# Altium PCB BLDC_DRIVER_1.2_AR.PcbDoc (part 2 of 3)
Units mil, origin at the board's own origin, x right, y up, seen from the top; angles counter-clockwise.
Board outline 6000 x 4990 mil, 4 copper layers (Top Layer, Signal Layer 1, Signal Layer 2, Bottom Layer), stack 33.334 mil thick; 219 components, 206 nets, 924 pads, 380 vias.
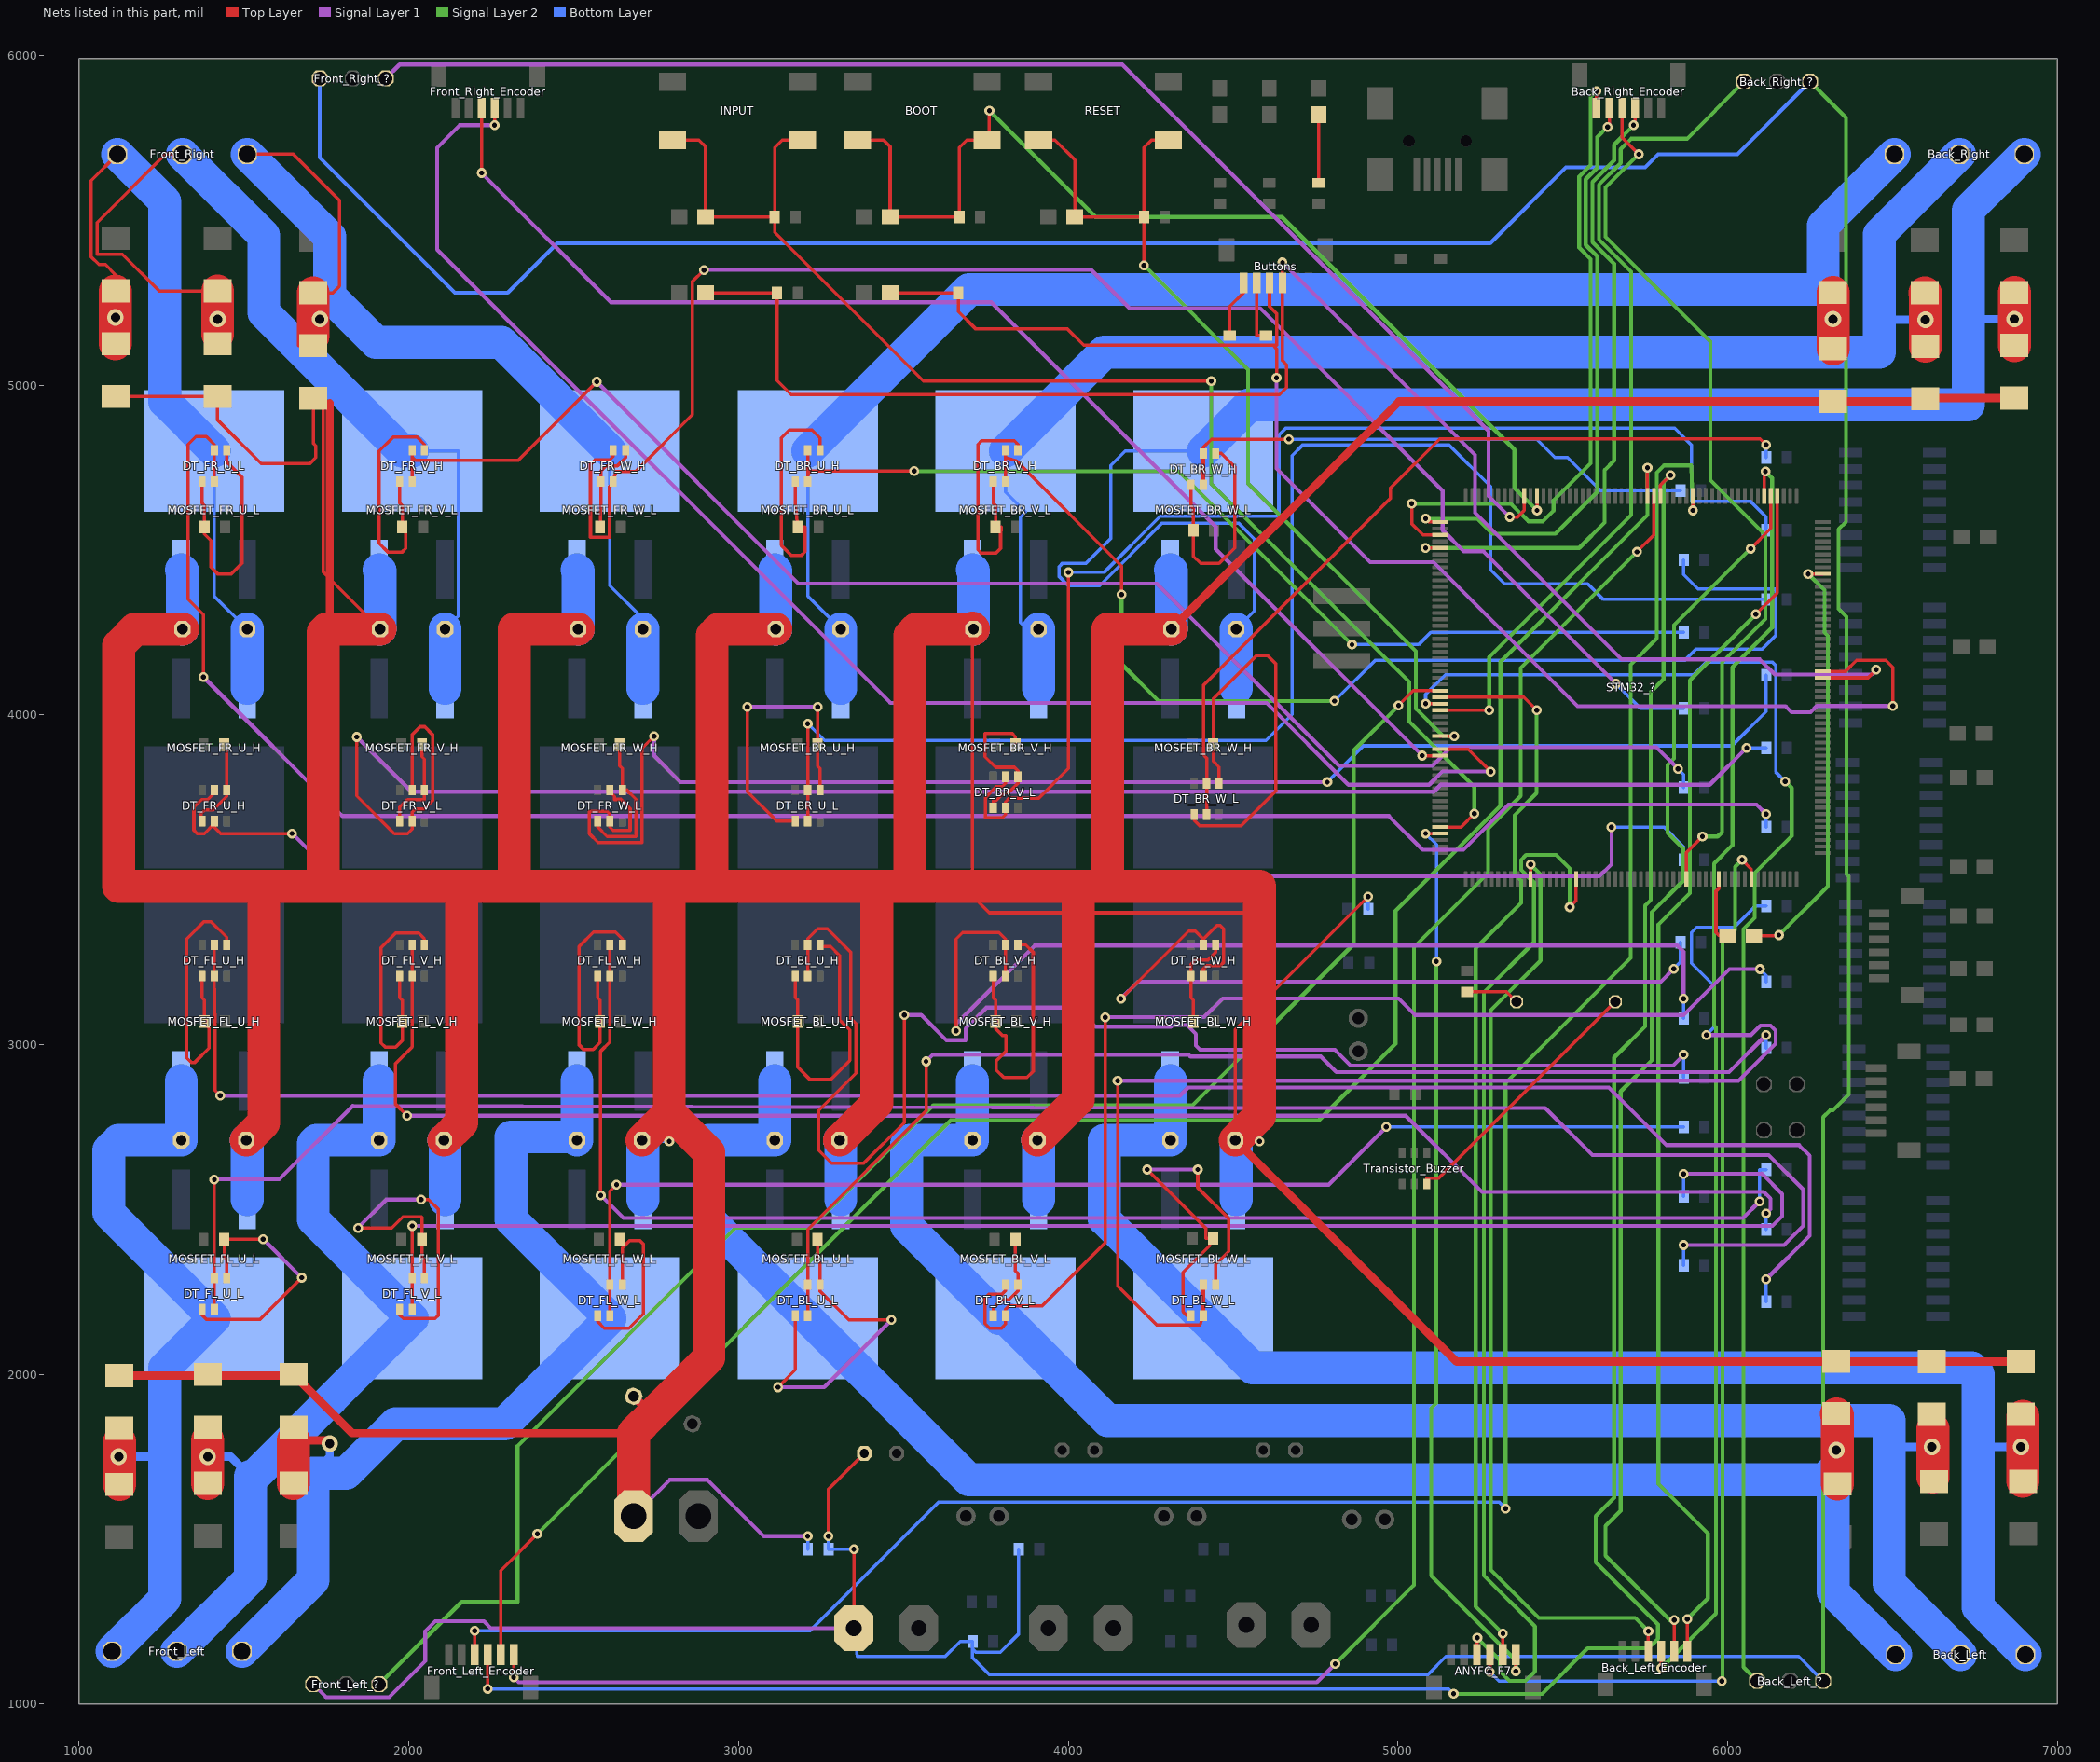
[diagram p4: the nets of this part, all layers, seen from the top]

## Via types
v1: diameter 30, hole 15, Top Layer to Bottom Layer, 359 vias
v2: diameter 50, hole 28, Top Layer to Bottom Layer, 14 vias
v3: diameter 160, hole 160, Top Layer to Bottom Layer, 4 vias
v4: diameter 59.06, hole 47.24, Top Layer to Bottom Layer, 2 vias
v5: diameter 100, hole 28, Top Layer to Bottom Layer, 1 vias

## Nets (pads, with @x,y where several pads share a name; then routed paths per layer and width w, separated by ;. In a path a pad name is that pad's centre, name@x,y a point inside that pad or via, vN(x,y) a via of type N, cw(c..) or ccw(c..) an arc to the next point about the centre after c; other vN are vias at no path point) (continued)
GND_MOTOR: C_BL_U.2 C_BL_V.2 C_BL_W.2 C_BR_U.2 C_BR_V.2 C_BR_W.2 C_FL_U.2 C_FL_V.2 C_FL_W.2 C_FR_U.2 C_FR_V.2 C_FR_W.2 C_Motor.2 MOSFET_BL_U_L.S MOSFET_BL_V_L.S MOSFET_BL_W_L.S MOSFET_BR_U_L.S MOSFET_BR_V_L.S MOSFET_BR_W_L.S MOSFET_FL_U_L.S MOSFET_FL_V_L.S MOSFET_FL_W_L.S MOSFET_FR_U_L.S MOSFET_FR_V_L.S MOSFET_FR_W_L.S MOTOR_Supply_1.1 R_GND_MOT_SERV.1 R_VMOT2.1 Schottky_diode_BL_U_L.1 Schottky_diode_BL_V_L.1 Schottky_diode_BL_W_L.1 Schottky_diode_BR_U_L.1 Schottky_diode_BR_V_L.1 Schottky_diode_BR_W_L.1 Schottky_diode_FL_U_L.1 Schottky_diode_FL_V_L.1 Schottky_diode_FL_W_L.1 Schottky_diode_FR_U_L.1 Schottky_diode_FR_V_L.1 Schottky_diode_FR_W_L.1 | length 35141
  Top Layer w10: Schottky_diode_FR_U_L.1@1110,4965.55 Schottky_diode_FR_V_L.1@1420,4965.55 1420,4894 1552,4762 1700,4762 1718,4780 1718,4816 1710,4824 Schottky_diode_FR_W_L.1@1710,4960 1720,4960 Schottky_diode_FR_W_L.1@1734.45,4945.55 ; Schottky_diode_FL_V_L.1@1390,1999.45 Schottky_diode_FL_W_L.1@1650,1999.45 ; Schottky_diode_FR_W_L.1@1740,4940 1740,4433.15 1760,4413.15 ; 1760,4945.55 1760,4413.15 ; C_FR_V.2@1913.15,4260 1760,4413.15 ; v1(2790,2706.85) 2790,2793.15 2790,3440 2750,3480 2320,3480 2160,3480 1800,3480 1760,3520 1760,4270 1760,4413.15 ; C_BR_V.2@3710,4263.15 3710,3450 3760,3400 4540,3400 4580,3360 4580,3119 ; C_BL_W.2@4506.85,2710 4506.85,3045.85 4580,3119 ; v1(4580,2706.85) 4580,2783.15 4580,3119 ; v1(4910,3449) 4580,3119 ; Schottky_diode_BL_U_L.1@6330,2039.45 6474,2039.45 6475.14,2038.31 Schottky_diode_BL_V_L.1@6619.81,2038.31
  Top Layer w25: Schottky_diode_FL_U_L.1@1122.13,1996.02 1646.57,1996.02 Schottky_diode_FL_W_L.1@1650,1999.45 1827.88,1821.57 2681.57,1821.57 ; Schottky_diode_FR_W_L.1@1734.45,4945.55 Schottky_diode_FR_W_L.1@1740,4940 ; 1740,4250 1750,4260 1760,4270 1760,4945.55 ; C_Motor.2@2681.59,1933.19 2729.79,1885 2745,1885 ; C_BR_W.2@4313.15,4260 5003.7,4950.55 Schottky_diode_BR_U_L.1@6320,4950.55 6592.32,4950.55 Schottky_diode_BR_V_L.1@6600,4958.23 6602.32,4960.55 Schottky_diode_BR_W_L.1@6870,4960.55 ; C_BL_W.2@4506.85,2710 5178.54,2038.31 Schottky_diode_BL_V_L.1@6619.81,2038.31 Schottky_diode_BL_W_L.1@6889.81,2038.31
  Top Layer w100: C_FR_U.2@1313.15,4260 1170,4260 1120,4210 1120,3480 1560,3480 ; C_FL_U.2@1506.85,2710 1560,2763.15 1560,3480 ; 1740,4250 1740,3480 ; 1750,4260 C_FR_V.2@1913.15,4260 ; C_FL_V.2@2106.85,2710 2160,2763.15 2160,3480 ; C_FR_W.2@2513.15,4260 2320,4260 2320,3480 ; MOTOR_Supply_1.1@2681.57,1570 2681.57,1821.57 2745,1885 2910,2050 2910,2673.15 2790,2793.15 ; C_FL_W.2@2706.85,2710 2790,2793.15 ; C_BR_U.2@3113.15,4260 2940,4260 2920,4240 2920,3480 ; C_BL_U.2@3306.85,2710 3420,2823.15 3420,3480 ; C_BR_V.2@3710,4263.15 C_BR_V.2@3713.15,4260 3540,4260 3520,4240 3520,3480 ; C_BL_V.2@3906.85,2710 4030,2833.15 4030,3480 ; C_BR_W.2@4313.15,4260 4120,4260 4120,3480 ; C_BL_W.2@4506.85,2710 4580,2783.15 4580,3480 4120,3480 ; 1560,3480 1740,3480 ; 1740,3480 2160,3480 ; 2160,3480 2320,3480 ; 2320,3480 2790,3480 ; 2790,2793.15 2790,3480 ; 2790,3480 2920,3480 ; 2920,3480 3420,3480 ; 3420,3480 3520,3480 ; 3520,3480 4030,3480 ; 4030,3480 4120,3480
  Signal Layer 1 w12: MOTOR_Supply_1.1@2681.57,1570 2791.57,1680 2905.57,1680 3076.57,1509 v1(3210,1509)
  Bottom Layer w10: C_FL_W.2@2710,2706.85 v1(2790,2706.85) ; R_GND_MOT_SERV.1@3210,1470 v1(3210,1509) ; C_BL_W.2@4510,2706.85 v1(4580,2706.85) ; R_VMOT2.1@4910,3410 v1(4910,3449)
  Bottom Layer w100: MOSFET_FR_U_L.S@1310,4440 1313.15,4436.85 C_FR_U.2@1313.15,4260 ; C_FL_U.2@1506.85,2710 1510,2706.85 MOSFET_FL_U_L.S@1510,2530 ; MOSFET_FR_V_L.S@1910,4440 1913.15,4436.85 C_FR_V.2@1913.15,4260 ; C_FL_V.2@2106.85,2710 2110,2706.85 MOSFET_FL_V_L.S@2110,2530 ; MOSFET_FR_W_L.S@2510,4440 2513.15,4436.85 C_FR_W.2@2513.15,4260 ; MOSFET_FL_W_L.S@2710,2530 C_FL_W.2@2710,2706.85 ; MOSFET_BR_U_L.S@3110,4440 3113.15,4436.85 C_BR_U.2@3113.15,4260 ; C_BL_U.2@3306.85,2710 3310,2706.85 MOSFET_BL_U_L.S@3310,2530 ; MOSFET_BR_V_L.S@3710,4440 3713.15,4436.85 C_BR_V.2@3713.15,4260 ; C_BL_V.2@3906.85,2710 3910,2706.85 MOSFET_BL_V_L.S@3910,2530 ; MOSFET_BR_W_L.S@4310,4440 4313.15,4436.85 C_BR_W.2@4313.15,4260 ; MOSFET_BL_W_L.S@4510,2530 C_BL_W.2@4510,2706.85
GND_SERVO: Back_Left_?.1 Back_Right_?.1 C_Servo.2 Front_Left_?.1 Front_Right_?.1 R_GND_MOT_SERV.2 R_GND_SERV_5V.1 R_VSERVO2.1 Servo_Supply.1 | length 16198
  Top Layer w10: v1(3273,1509) 3273,1651.43 C_Servo.2@3381.57,1760 ; Servo_Supply.1@3350,1230 v1(3350,1470)
  Signal Layer 1 w12: Front_Left_?.1@1710,1060 1749,1021 1940,1021 2050.12,1131.12 2050.12,1221.12 2080,1251 2228,1251 2249,1230 Servo_Supply.1@3350,1230
  Signal Layer 2 w12: Back_Right_?.1@6250,5920 6359,5811 6359,4585 6336.95,4562.95 6336.95,4322 6361,4297.95 6361,3516.74 6367.74,3510 6367.74,2848.74 6320,2801 6311,2801 6290,2780 Back_Left_?.1@6290,1070
  Bottom Layer w10: v1(3273,1509) R_GND_MOT_SERV.2@3273,1470 v1(3350,1470) ; Servo_Supply.1@3350,1230 3360,1144 3627,1144 3673,1190 R_VSERVO2.1@3710,1190 3710,1167 ; R_GND_SERV_5V.1@3850,1470 3850,1213 3794,1157 3720,1157 3710,1167 ; Back_Left_?.1@6290,1070 6216,1144 5146,1144 5092,1090 3760,1090 3710,1140 3710,1167
  Bottom Layer w12: Front_Right_?.1@1730,5930 1730,5690 2140,5280 2300,5280 2450,5430 5280,5430 5510,5660 5750,5660 5790,5700 6030,5700 Back_Right_?.1@6250,5920
NetANYFC_F7_3: ANYFC_F7.3 STM32_?.70 | length 3295.9
  Top Layer w10: ANYFC_F7.3@5239.92,1150.39 5239.92,1199.58 v1(5241.17,1200.83) ; v1(5521,3417) 5540.55,3436.55 STM32_?.70@5540.55,3502.2
  Signal Layer 2 w12: v1(5241.17,1200.83) 5309,1133 5309,1100 5338.84,1070.16 5387,1070.16 5416,1099.16 5416,1235 5261,1390 5261,3158 5413,3310 5413,3491 5374,3530 5374,3560 5389,3575 5480,3575 5521,3534 v1(5521,3417)
NetANYFC_F7_4: ANYFC_F7.4 STM32_?.97 | length 3352.8
  Top Layer w10: v1(5279,1098) 5279.29,1098.29 ANYFC_F7.4@5279.29,1150.39 ; v1(6044,3560) 6072.05,3531.95 STM32_?.97@6072.05,3502.2
  Signal Layer 2 w12: v1(5983,1070) 5985,1072 5985,3310 6023,3348 6023,3539 v1(6044,3560)
  Bottom Layer w10: v1(5279,1098) 5307,1070 v1(5983,1070)
NetANYFC_F7_5: ANYFC_F7.5 STM32_?.28 | length 3301.2
  Top Layer w10: STM32_?.28@5127.17,4053.39 5381.61,4053.39 v1(5421,4014) ; ANYFC_F7.5@5318.66,1150.39 v1(5318.66,1213.34)
  Signal Layer 2 w12: v1(5318.66,1213.34) 5236,1296 5236,3292 5374,3430 5374,3497 5354,3517 5354,3695.61 5421,3762.61 v1(5421,4014)
NetANYFC_F7_6: ANYFC_F7.6 STM32_?.49 | length 2760.3
  Top Layer w10: v1(5084,3640) STM32_?.49@5127.17,3640 ; v1(5358,1100) ANYFC_F7.6@5358.03,1150.39
  Signal Layer 2 w12: v1(5117,3252) 5117,1913 5101,1897 5101,1389 5358,1132 v1(5358,1100)
  Bottom Layer w10: v1(5084,3640) 5117,3607 v1(5117,3252)
NetB_1: B.1 R180_LED_B.2 | length 207
  Top Layer w10: R180_LED_B.2@4760,5613 B.1@4760,5820
NetBack_Left_1: Back_Left.1 C_BL_U.1 MOSFET_BL_U_H.S MOSFET_BL_U_L.D Schottky_diode_BL_U_H.1 Schottky_diode_BL_U_L.2 | length 5299
  Top Layer w100: Schottky_diode_BL_U_L.2@6330,1880 6333.62,1876.38 Schottky_diode_BL_U_H.1@6333.62,1667.52
  Bottom Layer w25: 6260,1680 6260,1700 v2(6330,1770)
  Bottom Layer w100: MOSFET_BL_U_H.S@3110,2890 C_BL_U.1@3110,2710 2910,2710 2910,2469.76 MOSFET_BL_U_L.D@3210,2169.76 3699.76,1680 6260,1680 6320,1680 6320,1340 Back_Left.1@6510,1150
NetBack_Left_2: Back_Left.2 C_BL_V.1 MOSFET_BL_V_H.S MOSFET_BL_V_L.D Schottky_diode_BL_V_H.1 Schottky_diode_BL_V_L.2 | length 5254.5
  Top Layer w10: Schottky_diode_BL_V_L.2@6619.81,1878.86 6619.81,1780.28 6622.91,1777.18 6627.09,1773 Schottky_diode_BL_V_H.1@6627.09,1674.81 6620,1674.81 v2(6620,1780)
  Top Layer w100: Schottky_diode_BL_V_H.1@6622.91,1688.42 6622.91,1835.19
  Bottom Layer w25: 6490,1780 v2(6620,1780)
  Bottom Layer w100: MOSFET_BL_V_H.S@3710,2890 C_BL_V.1@3710,2710 3520,2710 3510,2700 3510,2450 3790.24,2169.76 MOSFET_BL_V_L.D@3810,2169.76 4119.76,1860 6490,1860 6490,1780 6490,1366.85 Back_Left.2@6706.85,1150
NetBack_Left_3: Back_Left.3 C_BL_W.1 MOSFET_BL_W_H.S MOSFET_BL_W_L.D Schottky_diode_BL_W_H.1 Schottky_diode_BL_W_L.2 | length 4713.9
  Top Layer w10: Schottky_diode_BL_W_L.2@6889.81,1878.86 6896.11,1878.86 Schottky_diode_BL_W_L.2@6896.11,1872.56
  Top Layer w100: Schottky_diode_BL_W_H.1@6896.11,1675.59 Schottky_diode_BL_W_L.2@6896.11,1872.56
  Bottom Layer w25: 6760,1780 v2(6890,1780)
  Bottom Layer w100: MOSFET_BL_W_H.S@4310,2890 C_BL_W.1@4310,2710 4110,2710 4110,2469.76 MOSFET_BL_W_L.D@4410,2169.76 4559.76,2020 6740,2020 6760,2000 6760,1780 6760,1293.7 Back_Left.3@6903.7,1150
NetBack_Left_?_3: Back_Left_?.3 STM32_?.29 | length 4356
  Top Layer w10: v1(5084.3,4034.3) 5084.9,4033.7 STM32_?.29@5127.17,4033.7
  Signal Layer 2 w12: Back_Left_?.3@6090,1070 6048,1112 6048,3350.66 6082,3384.66 6082,3520 6195,3633 6195,3778 v1(6175,3798)
  Bottom Layer w10: v1(5084.3,4034.3) 5084.3,4062.3 5144,4122 5897,4122 5935,4160 6136,4160 6146,4150 6146,3827 v1(6175,3798)
NetBack_Left_Encoder_3: Back_Left_Encoder.3 STM32_?.63 | length 2874.2
  Top Layer w10: STM32_?.63@5402.76,3502.2 5402.76,3545.76 v1(5403,3546) ; Back_Left_Encoder.3@5759.92,1160.39 v1(5759.92,1221)
  Signal Layer 2 w12: v1(5403,3546) 5433,3516 5433,3255 5281.18,3103.18 5281.18,1407.67 5427.85,1261 5719.92,1261 v1(5759.92,1221)
NetBack_Left_Encoder_4: Back_Left_Encoder.4 STM32_?.162 | length 3908.6
  Top Layer w10: v1(5799.29,1109) Back_Left_Encoder.4@5799.29,1160.39 ; STM32_?.162@6111.42,4663.62 6111.42,4734.42 v1(6115,4738)
  Signal Layer 2 w12: v1(5799.29,1109) 5965,1274.71 5965,3052 5959,3058 5959,3548.98 6014.86,3604.84 6014.86,4144.29 6135,4264.43 6135,4718 v1(6115,4738)
NetBack_Left_Encoder_5: Back_Left_Encoder.5 STM32_?.161 | length 3844.5
  Top Layer w10: Back_Left_Encoder.5@5838.66,1160.39 v1(5838.66,1254.93) ; v1(6070,4504) 6131.1,4565.1 STM32_?.161@6131.1,4663.62
  Signal Layer 2 w12: v1(5838.66,1254.93) 5825.07,1254.93 5630,1450 5630,1540.28 5676,1586.28 5676,2858 5770.07,2952.07 5770.07,3401.56 5865.46,3496.94 5865.46,3594.83 5818,3642.28 5818,3848 5838,3868 5838,4272 v1(6070,4504)
NetBack_Left_Encoder_6: Back_Left_Encoder.6 STM32_?.160 | length 3741.8
  Top Layer w10: Back_Left_Encoder.6@5878.03,1160.39 v1(5878.03,1257.97) ; v1(6086,4305) 6150.79,4369.79 STM32_?.160@6150.79,4663.62
  Signal Layer 2 w12: v1@5876.64,1257.97 v1(5878.03,1257.97) 5940,1319.94 5940,1518 5790.07,1667.93 5790.07,3363.63 5885.46,3459.02 5885.46,4104.46 v1(6086,4305)
NetBack_Right_1: Back_Right.1 C_BR_W.1 MOSFET_BR_W_H.S MOSFET_BR_W_L.D Schottky_diode_BR_W_H.1 Schottky_diode_BR_W_L.2 | length 5429.1
  Top Layer w100: Schottky_diode_BR_W_L.2@6870,5120 v2(6870,5200.28) Schottky_diode_BR_W_H.1@6870,5280.55
  Bottom Layer w10: MOSFET_BR_W_L.D@4410,4800.24 4173.24,4800.24 4129,4756 4129,4535 4054,4460 3983,4460 3973,4450 3973,4419 4000,4392 4095,4392 4284.55,4581.55 4516.45,4581.55 4565,4533 4565,4315 C_BR_W.1@4510,4260
  Bottom Layer w25: 6730,5200 6730.28,5200.28 v2(6870,5200.28)
  Bottom Layer w100: MOSFET_BR_W_L.D@4410,4800.24 4549.76,4940 6730,4940 6730,5200 6730,5530 Back_Right.1@6900,5700 ; MOSFET_BR_W_H.S@4510,4080 C_BR_W.1@4510,4260
NetBack_Right_2: Back_Right.2 C_BR_V.1 MOSFET_BR_V_H.S MOSFET_BR_V_L.D Schottky_diode_BR_V_H.1 Schottky_diode_BR_V_L.2 | length 5173.3
  Top Layer w100: Schottky_diode_BR_V_H.1@6598.19,5280.04 6600,5278.23 v2(6600,5197.95) Schottky_diode_BR_V_L.2@6600,5117.68
  Bottom Layer w10: MOSFET_BR_V_L.D@3810,4800.24 3810,4676 3871,4615 3855,4599 3855,4280 3875,4260 C_BR_V.1@3910,4260 ; 6462.05,5197.95 6462.05,5458.9 Back_Right.2@6703.15,5700
  Bottom Layer w25: 6462.05,5197.95 v2(6600,5197.95)
  Bottom Layer w100: MOSFET_BR_V_L.D@3810,4800.24 4109.76,5100 6460,5100 6460,5456.85 Back_Right.2@6703.15,5700 ; MOSFET_BR_V_H.S@3910,4080 C_BR_V.1@3910,4260
NetBack_Right_3: Back_Right.3 C_BR_U.1 MOSFET_BR_U_H.S MOSFET_BR_U_L.D Schottky_diode_BR_U_H.1 Schottky_diode_BR_U_L.2 | length 4817.1
  Top Layer w100: Schottky_diode_BR_U_L.2@6320,5110 v2(6320,5200) Schottky_diode_BR_U_H.1@6320,5280.55
  Bottom Layer w10: MOSFET_BR_U_L.D@3210,4800.24 3210,4360 C_BR_U.1@3310,4260
  Bottom Layer w25: 6290,5290 6290,5230 v2(6320,5200)
  Bottom Layer w100: MOSFET_BR_U_L.D@3210,4800.24 3699.76,5290 6290,5290 6290,5483.7 Back_Right.3@6506.3,5700 ; MOSFET_BR_U_H.S@3310,4080 C_BR_U.1@3310,4260
NetBack_Right_?_3: Back_Right_?.3 STM32_?.30 | length 2556.2
  Top Layer w10: STM32_?.30@5127.17,4014.02 v1(5277,4014.02)
  Signal Layer 2 w12: v1(5277,4014.02) 5277,4175 5708,4606 5708,5343.72 5610,5441.72 5610,5607.58 5676,5673.58 5676,5715 5708,5747 5877,5747 Back_Right_?.3@6050,5920
NetBack_Right_Encoder_3: Back_Right_Encoder.3 STM32_?.5 | length 1968
  Top Layer w10: v1(5084,4506) 5084.14,4506.14 STM32_?.5@5127.17,4506.14 ; v1(5715,5788) 5720.08,5793.08 Back_Right_Encoder.3@5720.08,5839.61
  Signal Layer 2 w12: v1(5084,4506) 5550,4506 5626.89,4582.89 5626.89,4741.89 5656,4771 5656,5367.43 5590,5433.43 5590,5615.86 5656,5681.86 5656,5729 v1(5715,5788)
NetBack_Right_Encoder_4: Back_Right_Encoder.4 STM32_?.87 | length 2727
  Top Layer w10: Back_Right_Encoder.4@5680.71,5839.61 5680.71,5750 v1(5730.71,5700) ; STM32_?.87@5875.2,3502.2 5875.2,3582.2 v1(5923.94,3630.94)
  Signal Layer 2 w12: v1(5730.71,5700) 5630,5599.29 5630,5450 5948,5132 5948,4712 6115,4545 6115,4290.66 5983,4158.66 5983,3643.94 5970,3630.94 v1(5923.94,3630.94)
NetBack_Right_Encoder_5: Back_Right_Encoder.5 STM32_?.1 | length 1847.3
  Top Layer w10: v1(5084.12,4594.83) 5094.06,4584.88 STM32_?.1@5127.17,4584.88 ; v1(5636,5783) 5641.34,5788.34 Back_Right_Encoder.5@5641.34,5839.61
  Signal Layer 2 w12: v1(5084.12,4594.83) 5241.37,4594.83 5287.19,4549 5478,4549 5605,4676 5605,5390.15 5570,5425.15 5570,5624.14 5605,5659.14 5605,5752 v1(5636,5783)
NetBack_Right_Encoder_6: Back_Right_Encoder.6 STM32_?.3 | length 2030.9
  Top Layer w10: v1(5042,4640) 5042,4580 5076.49,4545.51 STM32_?.3@5127.17,4545.51 ; Back_Right_Encoder.6@5601.97,5839.61 v1(5602,5891)
  Signal Layer 2 w12: v1(5042,4640) 5343,4640 5396,4587 5440,4587 5472,4619 5472,4650 5585,4763 5585,5381.86 5550,5416.86 5550,5632.43 5585,5667.43 5585,5874 v1(5602,5891)
NetBOOT_1: BOOT.1 BOOT.2 C100n_BOOT.1 R10k_BOOT.1 STM32_?.197 | length 3205.5
  Top Layer w10: BOOT.2@3360,5742.83 3440,5742.83 3460,5722.83 C100n_BOOT.1@3460,5510 R10k_BOOT.1@3670,5510 3670,5720 3692.83,5742.83 BOOT.1@3753.7,5742.83 3761,5742.83 v1(3761,5832) ; v1(5422,4620) 5422.44,4620.44 STM32_?.197@5422.44,4663.62
  Signal Layer 2 w12: v1(3761,5832) 4083,5510 4648,5510 5353.76,4804.24 5353.76,4688.24 v1(5422,4620)
NetButtons_3: Buttons.3 C100n_IN_1.1 R_IN1.2 STM32_?.132 | length 5039.3
  Top Layer w10: C100n_IN_1.1@2900,5280 R_IN1.2@3117,5280 3117,5014 3160,4971 4641,4971 4662,4992 4662,5062.17 4650.08,5074.09 Buttons.3@4650.08,5309.61 v1(4650.08,5372) ; STM32_?.132@6288.58,4112.44 6426.44,4112.44 v1(6451,4137)
  Signal Layer 1 w12: v1(4650.08,5372) 5234,4788.08 5234,4613 5679,4168 6097.84,4168 6143.66,4122.18 6436.18,4122.18 v1(6451,4137)
NetButtons_4: Buttons.4 C100n_IN_2.1 R_IN2.2 STM32_?.133 | length 4381.9
  Top Layer w10: C100n_IN_2.1@3460,5280 R_IN2.2@3667,5280 3667,5223 3720,5170 3998,5170 4047,5121 4621,5121 ; Buttons.4@4610.71,5309.61 4610.71,5238.29 4632,5217 4632,5121 4621,5121 ; v1(4632,5022) 4632,5110 4621,5121 ; STM32_?.133@6288.58,4132.13 6358,4132.13 6390.87,4165 6480,4165 6501,4144 v1(6501,4027)
  Signal Layer 1 w12: v1(4632,5022) 4632,4747 4916,4463 5108,4463 5545,4026 6176,4026 6194,4008 6252,4008 6271,4027 v1(6501,4027)
NetButtons_5: Buttons.5 R_OUT_1.1 | length 188.3
  Top Layer w10: Buttons.5@4571.34,5309.61 4571.34,5150 R_OUT_1.1@4600,5150
NetButtons_6: Buttons.6 R_OUT_2.1 | length 177
  Top Layer w10: R_OUT_2.1@4490,5150 4490,5238.03 4531.97,5280 Buttons.6@4531.97,5309.61
NetBuzzer_1: Buzzer.1 Transistor_Buzzer.6 | length 810.9
  Top Layer w10: Transistor_Buzzer.6@5087.4,2577.72 5087.4,2595.4 5124.61,2595.4 Buzzer.1@5659.21,3130
NetBuzzer_2: Buzzer.2 R_Buzzer.1 | length 162.4
  Top Layer w10: R_Buzzer.1@5210,3160 5330,3160 Buzzer.2@5360,3130
NetC2u2-ESRmax2_1: C2u2-ESRmax2.1 STM32_?.148 | length 1301.3
  Top Layer w10: C2u2-ESRmax2.1@6080,3330 6154,3330 v1(6156,3332) ; v1(6245,4427) 6245.4,4427.4 STM32_?.148@6288.58,4427.4